# KiCad board Turbo_XT_Mainboard R3.kicad_pcb (continued)
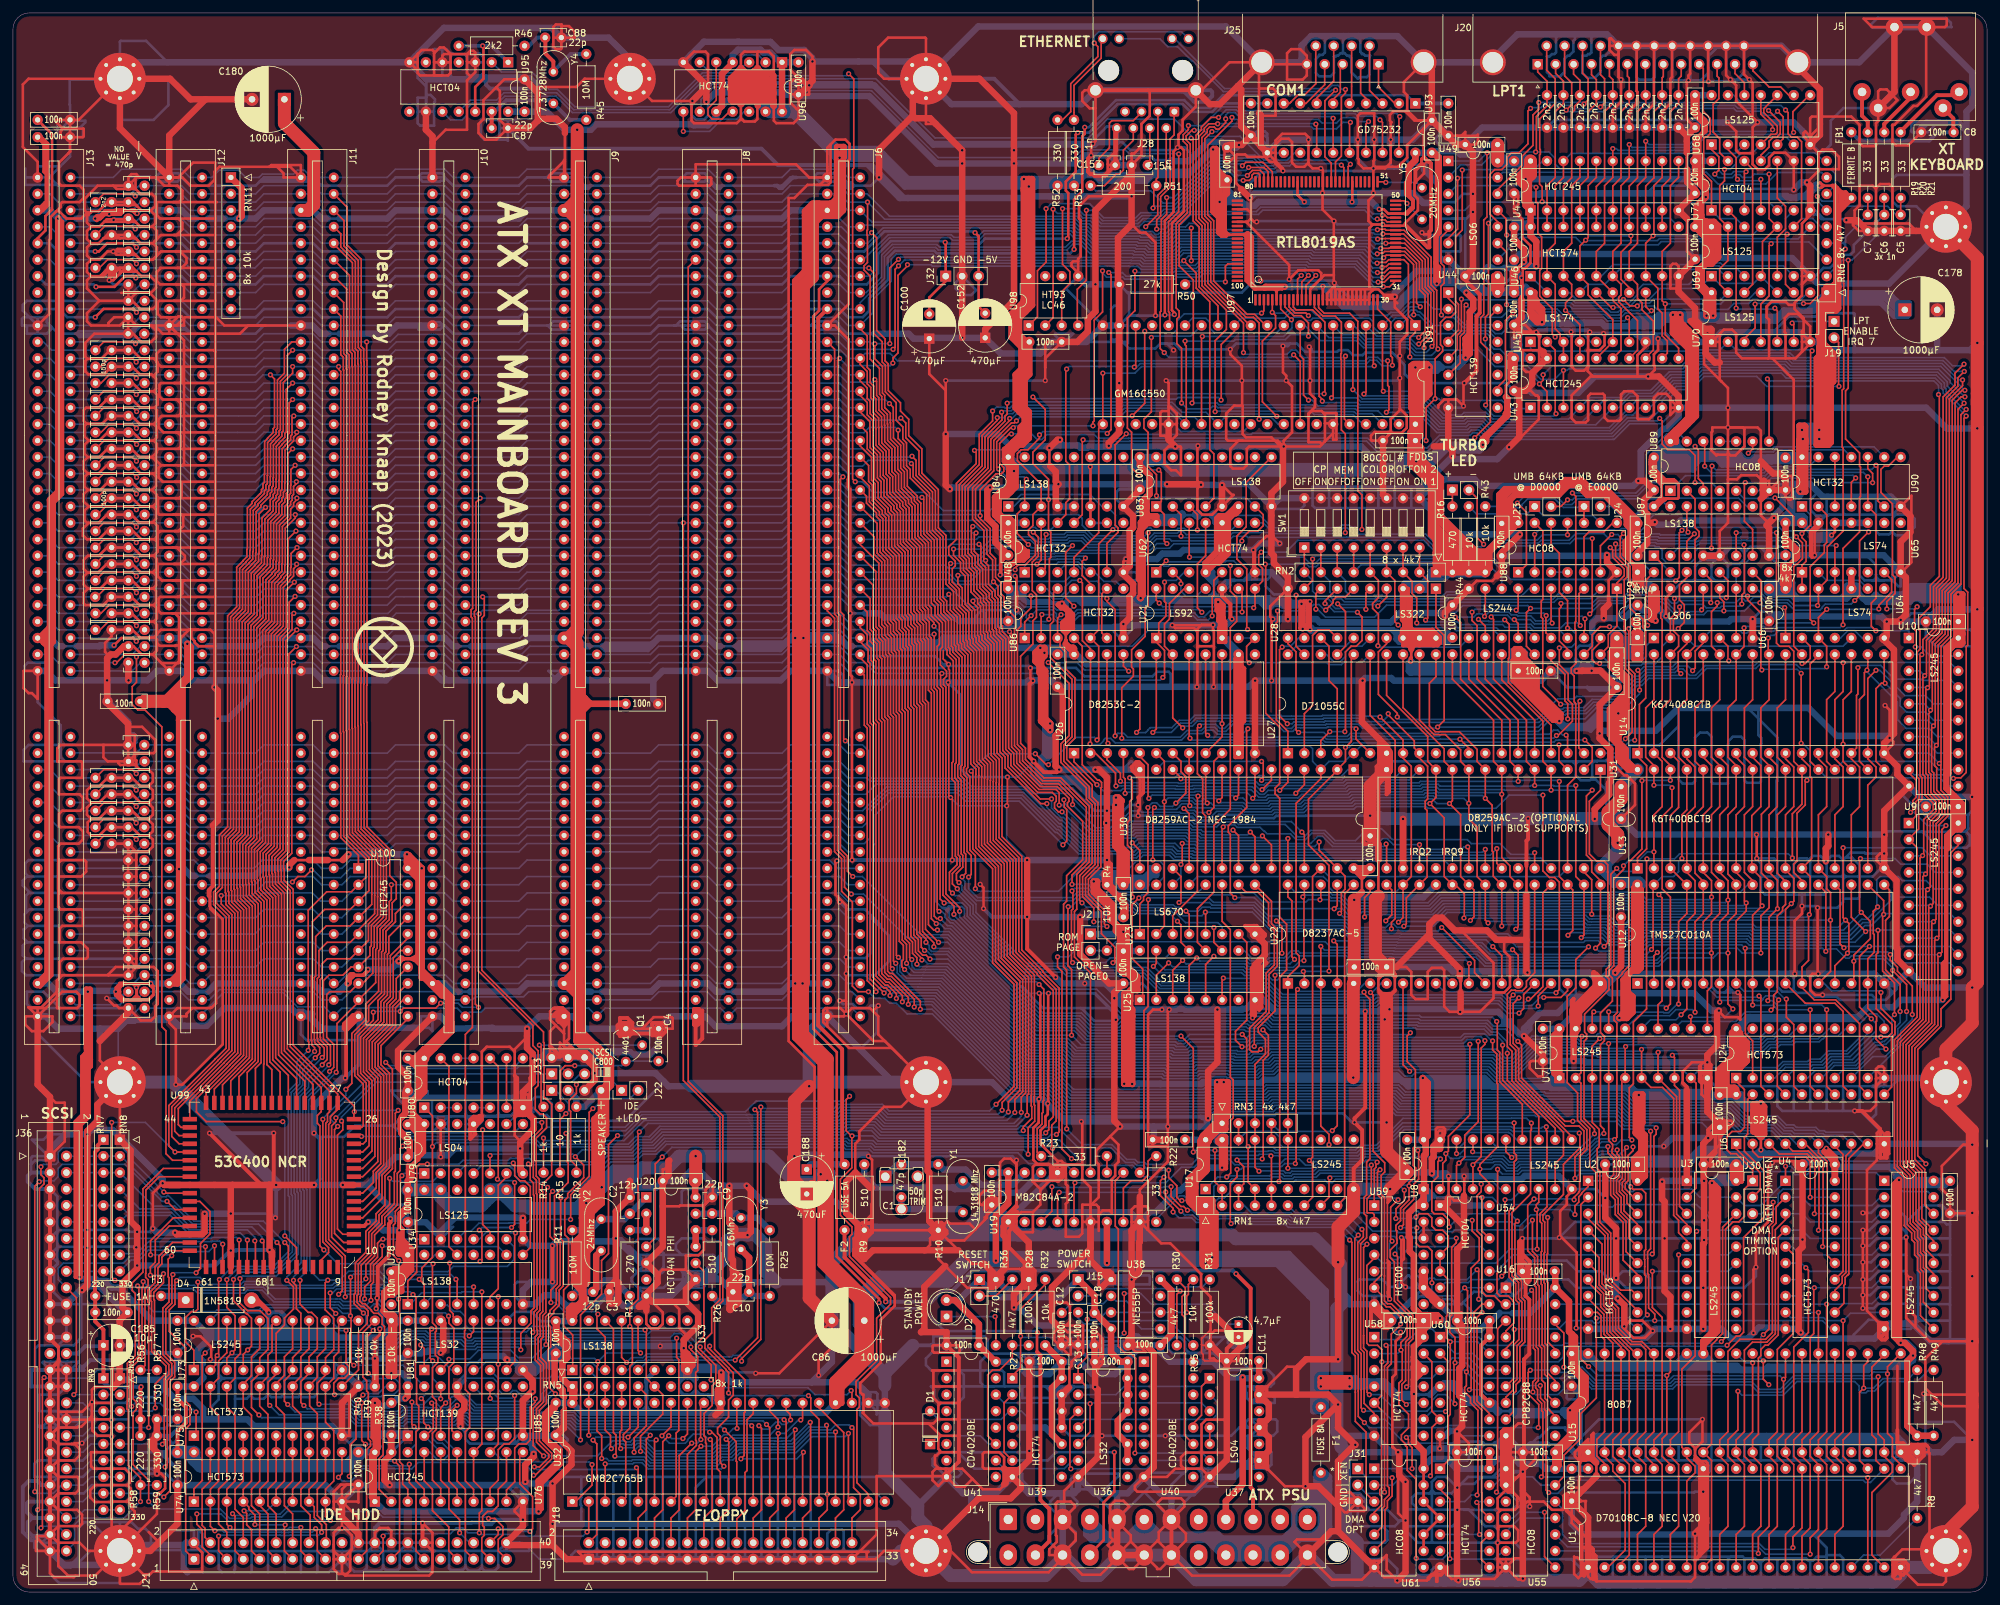
[diagram p0: board, top side]
## Routing (per net, layer and track width the routed paths; a pad name or vN(x,y) marks a point on that pad's centre or on a via; arc(x,y) is an arc through that point) (continued)
  Bottom w0.4: 66.75,233.6 66.29,234.06 U95.5 ; U95.3 71.37,233.68 71.45,233.6 ; U95.3 72.52,236.22 72.64,236.35 ; U95.3 71.37,237.62 72.01,237.62 72.64,236.98 72.64,236.35 ; U95.3 70.23,236.22 70.1,236.35 ; U95.9 63.83,228.68 63.83,230.81 ; U95.9 62.48,228.6 ; U95.9 65.02,228.6 ; U95.9 63.75,232.54 62.48,233.81 62.48,237.49 62.61,237.62 ; U95.5 67.31,236.22 67.56,235.97 ; U95.5 66.29,238.25 65.02,238.25 ; U95.5 65.15,236.22 65.02,236.35 ; 266.95,160.91 266.64,161.22 265.12,161.22 ; 266.95,160.91 267.27,160.6 267.27,160.46 ; 266.95,160.91 267.59,160.91 267.65,160.84 ; C63.2 231.77,203.45 230.19,201.87 228.15,201.87 226.82,203.2 C85.2 224.24,211.88 224.03,212.09 222.25,212.09 ; v1(260.86,26.67) 244.89,26.67 241.89,23.67 ; 123.7,195.58 J6.10 127.51,195.58 128.78,194.31 132.97,194.31 ; 123.7,195.58 124.33,194.94 127.13,194.94 127.38,195.2 127.51,195.2 127.51,195.83 127.13,196.22 123.82,196.22 123.19,195.58 ; 123.7,195.58 123.19,195.58 ; v1(291.47,150.11) 292.1,150.11 293.12,151.13 294.89,151.13 ; v1(258.7,233.43) 258.96,233.69 J20.22 ; v1(258.7,233.43) 256.23,233.43 256.19,233.39 256.19,238.76 ; v1(258.7,233.43) 260.6,233.43 260.73,233.55 ; SW1.9 217.3,168.78 218.95,168.78 218.95,167.39 216.03,167.39 ; 71.12,72.26 69.92,73.46 ; 71.12,72.26 69.98,72.26 69.92,72.21 ; 71.12,72.26 72.39,73.53 74.68,73.53 75,73.86 ; 71.12,72.26 70.1,71.25 ; 71.12,72.26 71.12,71.12 ; 71.12,72.26 71.12,73.28 70.94,73.46 ; 69.92,73.46 70.94,73.46 ; 69.92,73.46 69.92,73.73 ; 69.92,73.46 67.63,73.46 ; J36.49 6.9,6.35 7,6.24 ; J36.49 5.71,2.79 7.11,1.4 16.38,1.4 16.51,1.27 H6.1 ; J36.49 5.71,7.62 ; J36.49 3.81,6.35 3.3,6.86 3.3,8.38 3.56,8.64 ; v1(14.86,202.56) 15.49,201.93 C123.2 ; v1(292.31,54.77) 292.31,57.83 290.52,59.62 287.97,59.62 286.89,58.55 v1(285.62,58.55) ; v1(292.31,54.77) 292.15,54.61 287.78,54.61 286.64,53.47 v1(285.62,53.47) ; v1(292.31,54.77) 292.31,51.99 ; v1(292.31,54.77) 292.31,55.54 290.7,57.15 287.91,57.15 286.64,55.88 v1(285.62,55.88) ; v1(292.31,54.77) 292.31,57.11 294.13,58.93 ; 247.01,20.32 247.01,23.56 246.98,23.59 ; 247.01,20.32 249.68,20.32 ; 247.01,20.32 245.49,20.32 ; 183.7,36.9 181.67,36.9 180.97,37.59 180.97,38.61 180.21,39.37 179.07,39.37 ; 183.7,36.9 183.7,39.43 183.76,39.37 184.66,39.37 ; 183.7,36.9 184.73,36.9 ; 44.32,30.35 44.58,30.1 46.48,30.1 46.99,30.61 46.99,32.89 ; 44.32,30.35 44.45,30.48 44.45,32.89 44.58,33.02 ; 44.32,30.35 44.07,30.1 41.91,30.1 41.66,30.35 ; 191.26,21.59 191.26,21.46 U37.9 ; 191.26,21.59 190.63,22.23 190.63,24.13 191.26,24.13 ; 191.26,21.59 192.53,21.59 ; C40.2 240.66,15.37 259.59,15.37 259.71,15.49 v1(260.99,15.49) ; 267.33,20.32 267.33,22.73 268.19,23.59 ; 267.33,20.32 269.88,20.32 ; 267.33,20.32 264.79,20.32 ; 69.85,33.91 69.85,33.02 ; 69.85,33.91 69.85,33.66 68.58,32.38 U85.13 ; 69.85,33.91 69.85,34.8 70.54,35.49 71.81,35.49 72.77,36.45 ; 69.85,33.02 69.85,32.64 68.96,31.75 U85.13 ; 69.85,33.02 U85.13 ; U87.4 261.62,159.38 262.89,159.38 263.52,160.02 ; U87.4 260.99,159.64 259.71,158.37 259.71,156.46 ; U87.4 261.37,160.4 263.02,160.4 263.4,160.02 263.52,160.02 ; U87.4 263.52,160.02 ; U37.13 193.68,29.21 194.18,29.21 ; U37.13 193.68,31.75 193.8,31.75 ; U37.13 191.52,29.59 191.52,29.21 ; U37.13 191.52,31.37 191.52,31.75 ; U37.13 192.4,29.21 ; U37.13 192.4,31.62 192.53,31.75 ; U37.13 194.31,30.48 194.82,29.97 194.82,29.21 194.18,29.21 ; 277.56,92.51 277.5,92.58 277.5,95.38 277.39,95.48 ; 277.56,92.51 275.41,92.51 274.95,92.96 274.95,93.22 ; 277.56,92.51 278.13,91.95 281.56,91.95 282.07,91.44 287.78,91.44 ; 62.48,228.6 62.48,230.76 63.79,230.76 63.83,230.81 ; 62.48,228.6 62.48,226.82 62.86,226.44 65.02,226.44 65.02,228.6 ; 82.8,218.44 82.8,218.19 83.18,217.81 86.74,217.81 86.99,218.06 86.99,218.44 ; 82.8,218.44 82.04,218.44 ; 82.8,218.44 J9.1 86.99,218.44 ; 233.12,5.13 233.12,6.4 231.9,7.62 229.74,7.62 229.3,8.06 ; 233.12,5.13 v1(233.12,2.08) ; 233.12,5.13 233.17,5.08 233.43,5.08 ; 265.69,92.58 v1(266.32,92.58) ; 265.69,92.58 265.37,92.9 ; 265.69,92.58 264.92,92.58 ; v1(15.54,211.88) 15.75,212.09 C127.2 ; 275.29,160.1 275.29,160.32 274.19,161.42 273.94,161.42 ; 5.71,25.53 5.59,25.4 4.19,25.4 3.94,25.65 4.7,25.65 J36.33 6.98,25.4 ; 5.71,25.53 5.84,25.4 6.98,25.4 ; 5.71,25.53 J36.29 ; 5.71,25.53 J36.41 6.98,17.78 ; 243.08,20.32 245.49,20.32 ; 243.08,20.32 243.2,20.45 U15.1 ; 243.08,20.32 241.81,20.32 241.43,20.7 239.52,20.7 239.14,20.32 237.36,20.32 236.09,21.59 C64.2 ; 245.49,20.32 244.86,20.32 ; 49.53,33.02 46.99,33.02 ; 49.53,33.02 49.72,33.21 ; 49.53,33.02 50.93,33.02 ; 46.99,33.02 46.99,32.89 ; 46.99,33.02 44.58,33.02 ; 301.62,218.82 290.83,218.82 290.19,218.19 290.19,214.76 290.96,214 293.88,214 297.05,210.82 H7.1 ; 294.13,42.42 294.13,44.58 ; 294.13,42.42 294.13,42.04 294.26,41.91 292.99,40.64 U5.10 287.91,41.66 ; 294.13,42.42 294.64,41.91 299.08,41.91 ; 294.13,44.58 294.26,44.45 298.96,44.45 299.08,44.32 ; 294.13,44.58 294.13,47.12 ; 95.12,17.78 92.84,17.78 ; 95.12,17.78 95.27,17.63 95.27,5.44 95.63,5.08 ; 95.12,17.78 97.79,17.78 ; 92.84,17.78 92.69,17.63 92.69,5.31 92.46,5.08 ; 92.84,17.78 90.17,17.78 ; U37.9 191.13,19.05 190.63,19.05 ; U37.9 193.42,21.34 193.42,21.59 ; U37.9 193.55,19.18 193.8,19.18 ; U37.9 192.4,21.46 192.53,21.59 ; U37.9 192.28,20.19 187.2,20.19 186.18,19.18 ; U37.9 192.4,19.05 ; 282.96,110.49 280.16,110.49 ; 282.96,110.49 284.99,110.49 ; 282.96,110.49 282.57,110.87 ; 282.96,110.49 282.57,110.11 ; 280.16,110.49 279.97,110.29 ; 280.16,110.49 277.5,110.49 ; 3.94,90.17 5.46,90.17 ; 3.94,90.17 3.81,90.04 J13.80 ; 3.94,90.17 2.79,90.17 2.16,90.81 2.16,92.71 4.7,92.71 7.24,90.17 ; 5.46,90.17 5.08,90.17 J13.80 ; 5.46,90.17 7.24,90.17 ; 264.29,92.58 263.15,92.58 262.25,93.47 262.25,95.46 262.28,95.48 ; 264.29,92.58 264.82,93.11 ; 264.29,92.58 264.92,92.58 ; U1.1 244.35,3.81 244.47,3.68 ; U1.1 243.2,5.08 243.59,5.46 244.47,5.46 ; U1.1 243.2,3.94 ; U1.1 241.94,3.81 240.66,5.08 239.78,5.08 ; C91.2 82.55,36.83 81.15,35.43 ; 205.74,11.68 205.74,12.06 J31.3 ; 207.55,5.11 207.58,5.08 208.79,5.08 ; 190.12,19.3 190.37,19.3 190.63,19.05 ; 218.69,15.24 216.66,15.24 216.03,14.61 216.03,13.72 216.73,13.01 216.73,12.77 ; 218.69,15.24 219.07,15.24 ; 218.69,15.24 219.07,15.62 ; 289.81,92.07 289.81,93.09 U12.16 ; 289.81,92.07 290.13,92.39 ; 289.81,92.07 289.18,91.44 287.78,91.44 ; C105.1 18.36,194.89 18.74,194.89 19.43,195.58 19.81,195.58 ; C105.1 17.4,194.69 10.16,194.69 9.78,194.31 ; C105.1 17.4,194.31 17.14,194.06 10.29,194.06 10.03,194.31 ; C105.1 19.05,195.58 19.56,195.58 ; C105.1 18.29,194.31 19.56,195.58 ; C105.1 17.27,193.8 10.29,193.8 9.78,194.31 ; C105.1 18.67,194.31 18.67,194.44 19.81,195.58 ; C105.1 10.03,194.31 ; 48.15,6.33 49.55,6.33 J21.19 ; 48.15,6.33 49.51,6.33 ; 48.15,6.33 47.01,6.33 ; 67.12,56.71 67.44,56.39 67.94,56.39 U34.2 ; C166.1 C156.1 ; 229.3,8.06 229.3,9.58 ; 229.3,8.06 228.87,7.62 219.2,7.62 219.13,7.69 ; 264.82,93.45 265.37,92.9 ; 264.82,93.45 264.82,95.48 ; 264.82,93.45 264.82,93.11 ; 265.37,92.9 265.05,92.58 264.92,92.58 ; 246.51,238.76 246.51,237.74 246.38,237.74 245.87,237.24 245.49,237.24 245.11,236.86 245.11,234.7 244.22,233.81 243.08,233.81 242.32,234.57 242.32,237.24 242.95,237.24 243.2,237.49 243.46,237.49 243.71,237.74 243.71,240.41 243.84,240.54 ; 246.51,238.76 246.51,239.65 246.75,239.89 ; 246.51,238.76 J20.18 247.89,233.95 v1(248.28,233.55) ; 2.67,107.95 1.52,109.09 1.52,109.85 2.16,110.49 2.41,110.49 ; 2.67,107.95 2.41,107.95 2.03,107.57 2.03,104.9 ; 2.67,107.95 C169.2 ; U15.20 290.19,21.59 ; U15.20 291.46,20.45 291.59,20.32 ; U15.20 290.19,20.32 ; 290.19,21.59 290.19,22.35 290.56,22.72 294.25,22.72 ; 290.19,21.59 290.19,20.32 ; 186.55,223.96 186.62,224.03 188.72,224.03 v1(189.29,223.46) ; 82.04,218.44 82.42,218.44 83.06,219.07 86.36,219.07 86.99,218.44 ; 82.04,218.44 79.38,218.44 78.1,217.17 67.94,217.17 66.67,218.44 J10.1 62.99,218.44 ; 258.83,1.52 259.71,2.41 259.71,5.46 ; U36.7 163.7,17.78 163.32,17.4 163.32,16.51 162.05,15.24 160.78,15.24 ; U36.7 170.47,11.77 J14.5 170.47,11.21 174.69,15.43 ; U36.7 163.45,16.76 163.45,15.88 165.86,15.88 166.12,16.13 ; U36.7 164.46,17.91 164.85,18.29 170.69,18.29 170.69,17.91 168.02,15.24 ; 58.67,72.01 52.83,72.01 51.12,70.29 47.05,70.29 ; 58.67,72.01 60.96,74.3 60.96,75.56 ; 58.67,72.01 59.7,70.98 64.76,70.98 ; 83.18,83.82 J33.2 ; 83.18,83.82 85.72,83.82 ; 83.18,83.82 82.42,83.82 81,82.4 v1(80.24,82.4) ; 69.85,24.64 69.85,23.62 70.54,22.93 77.16,22.93 ; 229.24,3.81 229.24,4.32 229.49,4.57 ; 229.24,3.81 U55.7 ; 229.24,3.81 229.24,1.97 229.08,1.81 229.08,2.38 U55.7 ; 287.91,41.66 290.45,41.66 290.67,41.44 ; 287.91,41.66 287.53,42.04 286.51,42.04 284.2,39.73 284.2,39.14 ; 208.79,5.08 208.91,5.08 U61.7 ; 208.79,5.08 210.57,5.08 ; J6.1 125.73,218.57 ; J6.1 126.37,217.81 128.27,217.81 128.52,217.55 ; J6.1 127.38,218.44 ; J6.1 123.82,218.44 ; J6.1 125.73,218.31 125.22,217.81 124.46,217.81 123.82,218.44 ; 125.73,218.57 125.22,219.07 124.21,219.07 123.57,218.44 ; 125.73,218.57 126.24,219.07 126.75,219.07 127.38,218.44 ; 261.37,216.53 261.11,216.53 260.56,215.98 C75.2 259.71,217.04 259.84,217.17 ; 261.37,216.53 261.37,217.04 261.24,217.17 259.84,217.17 ; 261.37,216.53 261.5,216.67 274.82,216.67 v1(274.95,216.53) ; 215.9,170.69 218.31,170.69 218.63,170.37 ; 215.9,170.69 215.9,167.51 216.03,167.39 ; 215.9,170.69 213.36,170.69 ; v1(161.66,177.94) 162.6,177 165.74,177 165.74,177.01 v1(182.95,177.01) ; 89.03,6.35 86.87,6.35 86.23,5.71 86.23,5.08 ; 89.03,6.35 125.73,6.35 ; 89.03,6.35 88.9,6.22 J18.1 ; 39.39,6.33 41.93,6.33 ; 39.39,6.33 39.39,3.07 39.37,3.05 ; 39.39,6.33 36.85,6.33 ; 41.93,6.33 41.93,3.16 42.04,3.05 ; 41.93,6.33 44.47,6.33 ; 166.3,36.76 167,37.46 C18.2 ; 166.3,36.76 167.58,36.76 ; 166.3,36.76 165.3,36.76 ; C17.2 187.2,35.69 185.99,36.9 184.98,36.9 ; C17.2 187.4,37.67 187.83,38.1 189.23,38.1 ; C17.2 189.61,35.69 191.01,34.29 191.77,34.29 ; U61.7 210.19,4.7 210.57,5.08 ; U61.7 211.45,5.08 211.71,5.08 ; U61.7 211.1,2.89 211.1,1.81 ; U61.7 209.3,2.92 209.65,2.57 209.65,1.81 ; 26.8,194.82 26.67,194.94 21.84,194.94 21.59,195.2 ; 26.8,194.82 26.03,195.58 25.91,195.58 ; 26.8,194.82 27.3,194.31 37.46,194.31 38.73,195.58 42.93,195.58 ; 231.77,48.26 230.89,48.26 230.5,47.88 U16.1 ; v1(279.91,112.84) 279.08,113.66 277.88,113.66 277.5,113.28 277.5,112.78 ; v1(279.91,112.84) 280.03,112.71 280.03,110.36 279.97,110.29 ; v1(279.91,112.84) 280.74,113.66 281.94,113.66 282.45,113.16 282.57,113.16 282.57,112.78 ; 103.25,34.93 105.03,34.93 105.16,34.8 ; 103.25,34.93 103.25,34.42 103.12,34.29 ; 103.25,34.93 102.87,34.93 102.87,34.04 ; 219.58,15.24 222.12,15.24 v1(223.01,16.13) ; 219.58,15.24 219.2,15.62 219.07,15.62 ; 219.58,15.24 219.07,15.24 ; 3.81,196.85 1.65,196.85 1.4,196.6 1.4,195.58 1.9,195.58 ; 3.81,196.85 J13.10 ; 3.81,196.85 5.21,196.85 5.21,196.09 5.91,195.39 ; 32.64,33.02 31.88,33.02 31.75,33.15 ; 32.64,33.02 42.16,33.02 ; 32.64,33.02 32.38,33.02 ; 129.37,140.49 128.97,140.08 125.73,140.08 J6.31 127.51,142.24 128.17,141.58 128.17,140.49 ; 263.52,160.02 262.25,158.75 262.25,156.72 ; 263.52,160.02 264.73,161.22 ; 263.52,160.02 263.52,160.66 263.27,160.91 263.58,161.22 264.73,161.22 ; 263.52,160.02 264.03,160.02 265.12,161.11 265.12,161.22 ; 263.52,160.02 264.79,158.75 ; v1(156.93,21.8) 156.72,21.59 144.27,21.59 ; U37.11 190.75,25.4 190.37,25.78 190.37,26.29 190.75,26.67 191.01,26.67 ; U37.11 193.68,26.67 193.93,26.67 ; U37.11 193.68,24.13 193.93,24.13 ; U37.11 191.26,24.26 191.26,24.13 ; U37.11 191.13,26.67 191.01,26.67 ; U37.11 192.4,24.26 192.28,24.13 ; U37.11 189.36,25.4 188.09,24.13 v1(177.93,24.13) v1(168.15,24.13) 168.27,24.13 163.19,24.13 U39.11 ; U37.11 192.4,26.67 ; U37.11 191.26,25.4 ; 211.71,5.08 212.22,5.08 213.74,3.56 v1(213.74,1.78) ; 211.71,5.08 210.57,5.08 ; 165.3,36.76 167.13,34.93 168.4,34.93 ; 165.3,36.76 164.27,36.76 ; 294.13,49.66 294.13,51.94 ; 294.13,49.66 294.26,49.53 299.08,49.53 ; 294.13,49.66 294.13,47.12 ; 294.13,51.94 294.13,54.61 ; 294.13,51.94 294.26,52.07 299.08,52.07 ; 299.08,46.99 299.08,44.32 ; 299.08,46.99 299.08,49.53 ; 299.08,46.99 294.26,46.99 294.13,47.12 ; 299.08,44.32 299.08,41.91 ; U37.7 185.93,16.64 185.93,16.26 185.86,16.32 183.32,16.32 ; U37.7 184.53,18.03 184.53,19.05 ; U37.7 185.93,18.92 ; U37.7 183.51,19.05 ; U37.7 184.78,18.29 185.67,19.18 ; U37.7 183.64,17.78 183.51,17.91 ; 39.37,3.05 42.04,3.05 ; 39.37,3.05 36.7,3.05 ; 42.04,3.05 44.45,3.05 ; 249.68,20.32 249.56,20.45 249.56,22.86 248.82,23.59 ; 249.68,20.32 252.09,20.32 ; 278.38,166.24 280.29,166.24 280.42,166.37 ; 278.38,166.24 277.5,167.13 277.5,168.66 278.7,169.86 ; 278.38,166.24 278.76,165.86 U65.13 280.03,166.37 ; 26.48,87.44 26.03,87.88 26.03,88.9 J12.80 22.48,88.9 22.48,88.43 22.56,88.35 ; 249.62,130.66 249.62,128.42 248.05,126.85 ; 249.62,130.66 249.62,130.63 247.9,128.91 246.51,128.91 245.94,128.34 ; 249.62,130.66 249.7,130.74 254.18,130.74 257.18,133.73 ; 193.8,31.75 192.53,31.75 ; 193.8,31.75 194.18,31.75 194.69,32.26 194.69,33.4 193.8,34.29 191.77,34.29 ; 192.53,31.75 191.52,31.75 ; 246.19,141.16 247.59,141.16 247.65,141.22 C50.2 239.95,139.7 C65.2 ; U28.10 195.96,154.05 194.69,154.05 193.42,155.32 193.42,156.34 ; 288.8,78.1 287.65,78.1 287.65,73.79 286.7,72.83 ; 288.8,78.1 288.93,78.23 U24.10 ; 288.8,78.1 290.07,78.1 291.34,79.38 ; U13.16 288.42,111.76 287.15,110.49 284.99,110.49 ; 274.95,20.32 274.95,23.24 275.3,23.59 ; 274.95,20.32 272.41,20.32 ; 274.95,20.32 277.5,20.32 ; v1(128.65,95.5) 128.9,95.25 133.1,95.25 135.25,97.41 135.25,101.35 133.86,102.74 ; 272.29,125.09 272.41,125.22 272.41,131.95 267.84,136.53 264.29,136.53 ; 272.29,125.09 272.29,125.48 ; 272.29,125.09 272.29,116.97 ; J36.11 7,55.9 11.45,55.9 v1(11.49,55.94) 17.72,55.94 18.03,55.63 v1(19.18,55.63) 21.08,55.63 v1(21.59,56.13) ; 238.73,95.66 238.76,95.63 238.76,93.22 239.78,92.2 241.81,92.2 ; 6.86,50.93 J36.13 6.97,53.32 11.32,53.32 v1(11.49,53.16) 11.67,53.34 18.92,53.34 v1(19.04,53.22) ; 6.86,50.93 6.86,50.61 6.35,50.11 6.35,46.23 8.13,44.45 8.25,44.45 ; 6.86,50.93 6.86,50.67 J36.15 ; 6.86,50.93 6.86,61.09 J36.5 J36.23 ; 243.84,145.67 243.4,146.11 243.4,146.12 ; 243.84,145.67 243.84,142.93 243.75,142.84 v1(243.75,142.28) ; 243.84,145.67 243.84,147.7 ; 104.77,30.48 104.77,30.61 105.41,31.24 ; 104.77,30.48 104.14,30.48 ; 104.77,30.48 106.55,30.48 ; 29.46,6.48 29.23,6.24 ; 29.46,6.48 21.59,6.48 ; 29.46,6.48 28.89,7.05 ; 29.23,6.24 29.23,5.61 ; 29.23,6.24 29.32,6.33 31.64,6.33 ; 277.89,196.97 278.38,196.97 278.89,197.49 ; 277.89,196.97 274.18,196.97 271.76,194.54 269.72,194.54 ; 277.89,196.97 279.52,196.97 279.91,197.36 279.91,197.49 ; U59.9 217.81,45.72 217.87,45.65 ; U59.9 218.83,45.97 218.83,45.65 ; U59.9 216.49,45.67 216.49,45.59 ; U59.9 215.14,46.99 v1(215.01,47.12) 213.61,47.12 ; U59.9 217.42,46.99 215.52,48.89 215.39,48.89 213.61,47.12 ; 253.63,152.27 252.35,152.27 252.22,152.4 C61.2 249.56,152.4 247.52,150.37 247.4,150.37 ; 253.63,152.27 254.31,151.6 ; 253.63,152.27 254.13,152.27 254.25,152.15 254.25,151.65 254.71,151.2 ; C153.1 171.32,221.49 172.72,221.49 ; 239.78,5.08 242.06,5.08 243.2,3.94 ; 239.78,5.08 233.43,5.08 ; 20.83,195.58 21.08,195.58 ; 20.83,195.58 19.81,195.58 ; 20.83,195.58 J12.10 ; 21.08,195.58 21.21,195.58 21.59,195.2 ; 21.08,195.58 21.4,195.9 ; 31.75,34.93 32.51,35.69 34.29,35.69 ; 31.75,34.93 31.75,33.66 ; 31.75,34.93 30.73,35.94 v1(30.48,35.94) ; 219.07,15.24 219.07,15.62 ; 70.94,73.46 72.71,73.46 ; 168.95,37.3 168.95,37.24 168.47,36.76 167.58,36.76 ; 63.83,231.19 64.47,231.19 65.15,230.5 65.15,230.12 65.02,230 65.02,228.6 ; 63.83,231.19 63.83,230.81 ; 63.83,231.19 63.83,233.6 ; 5.91,195.39 5.71,195.58 J13.10 ; 5.91,195.39 5.91,195.01 5.21,194.31 3.81,194.31 ; 5.91,195.39 6.98,194.31 9.65,194.31 ; v1(154.94,151.64) 155.7,150.88 155.7,150.36 155.04,149.7 ; v1(154.94,151.64) 149.6,151.64 ; v1(154.94,151.64) 154.69,151.38 153.8,151.38 153.67,151.26 C36.2 ; C134.2 C119.1 ; C83.2 234.7,49.53 235.97,48.26 240.16,48.26 241.43,46.99 247.14,46.99 247.52,47.37 ; C83.2 234.7,51.18 ; C83.2 233.04,51.05 234.57,51.05 234.7,51.18 ; C83.2 233.04,46.99 231.77,45.72 ; 301.43,117.41 301.57,117.41 302.13,116.84 302.13,115.32 302.01,115.32 301.62,114.94 297.31,114.94 294.84,117.41 293.82,117.41 ; 301.43,117.41 301.88,117.86 301.88,120.02 ; 301.43,117.41 293.82,117.41 ; 272.41,20.32 269.88,20.32 ; 272.41,20.32 272.41,23.37 272.64,23.59 ; 269.88,20.32 269.88,22.73 270.73,23.59 ; 26.92,3.05 29.34,3.05 ; 29.34,3.05 32.26,3.05 ; 29.34,3.05 29.23,3.16 29.23,5.61 ; 156.84,36.83 157.99,36.83 158.62,36.19 158.62,35.56 ; 156.84,36.83 156.84,35.64 C14.2 ; 156.84,36.83 154.81,36.83 ; U55.7 231.77,5.08 232.41,5.08 ; U55.7 229.74,4.57 229.49,4.57 ; U55.7 232.25,2.06 232.25,1.81 ; v1(214.25,40.13) 213.61,40.13 212.81,40.94 C68.2 ; 9.27,130.81 C161.1 ; 9.27,130.81 7.37,130.81 ; 9.27,130.81 2.41,130.81 1.65,130.05 1.65,128.27 8.38,128.27 ; 16.51,10.8 11.05,10.8 10.16,9.91 10.16,7.75 ; 16.51,10.8 H6.1 ; 16.51,10.8 18.29,10.8 19.3,9.78 20.45,9.78 21.3,8.92 21.3,7.27 ; 273.94,161.42 272.41,161.42 ; 273.94,161.42 273.69,161.16 C55.2 273.69,158.5 ; 233.43,5.08 232.41,5.08 ; 144.96,34.22 146.12,34.22 146.81,33.53 146.81,30.1 145.85,29.14 143.07,29.14 142.24,29.97 142.24,31.24 141.73,31.75 151.38,31.75 ; 144.96,34.22 152.72,34.22 153.03,33.91 153.03,31.88 153.16,31.75 ; 144.96,34.22 141.79,34.22 140.97,35.04 140.97,36.07 141.86,36.96 143.89,36.96 ; 277.5,4.83 277.24,4.83 276.86,5.21 274.95,5.21 ; 277.5,4.83 277.88,4.83 278.51,5.46 279.91,5.46 280.03,5.33 ; 277.5,4.83 277.5,2.16 276.86,1.52 ; 64.77,6.35 J21.30 J21.28 ; 64.77,6.35 65.15,6.35 ; 64.77,6.35 64.77,3.81 64.26,3.3 62.74,3.3 62.23,3.81 62.23,6.35 J21.28 ; 208.91,13.84 208.91,14.22 207.9,15.24 207.64,15.24 ; 208.91,13.84 208.91,13.33 209.3,12.95 209.3,12.7 ; 208.91,13.84 208.79,13.97 J31.3 ; U80.7 78.1,74.8 77.41,74.1 ; U80.7 78.99,74.8 79.69,75.5 ; U80.7 80.27,74.8 81.41,73.66 82.42,73.66 83.18,72.9 ; 276.22,107.7 v1(276.22,105.92) 278.38,105.92 v1(278.64,105.66) 281.69,105.66 282.57,106.55 282.57,107.06 ; 276.22,107.7 275.08,107.7 ; 276.22,107.7 277.5,107.7 ; 241.81,92.2 241.3,92.2 ; 241.81,92.2 243.33,92.2 U22.20 ; 241.3,92.2 241.55,91.95 243.08,91.95 ; 241.3,92.2 241.3,95.63 241.27,95.66 ; 22.61,196.22 23.49,196.22 J12.10 ; 22.61,196.22 21.72,196.22 21.4,195.9 ; 22.61,196.22 25.65,196.22 25.91,195.96 ; 290.13,163.77 290.19,163.84 290.19,165.86 290.7,166.37 ; 290.13,163.77 289.67,163.32 288.16,163.32 287.65,163.83 287.65,166.37 ; 290.13,163.77 290.7,163.19 292.35,163.19 293.62,164.47 293.62,165.74 292.99,166.37 290.7,166.37 ; 51.56,34.42 51.56,35.81 ; 51.56,34.42 51.56,33.53 51.69,33.4 ; 51.56,34.42 52.32,33.66 52.83,33.66 53.34,33.15 R40.2 54.23,32.64 54.99,32.64 R39.2 ; 51.56,35.81 50.8,35.05 U73.10 ; 51.56,35.81 51.82,36.07 v1(55.88,36.07) ; C15.2 167.58,36.06 167.58,36.76 ; C15.2 167.08,38.02 C18.2 ; C15.2 166.75,35.89 166.75,37.08 167,37.34 C18.2 ; C15.2 169.62,35.56 169.84,35.77 ; v1(234.19,13.21) 232.03,13.21 231.52,12.7 228.85,12.7 ; v1(14.48,91.69) 16.51,91.69 17.53,92.71 C175.2 ; 193.68,223.77 193.68,224.54 193.34,224.87 C99.2 ; 193.68,223.77 193.68,223.39 ; 193.68,223.77 193.68,225.17 193.29,225.55 192.15,225.55 191.47,224.87 C99.2 ; v1(241.35,40.77) 243.08,40.77 U2.10 ; 115.44,5.08 115.57,5.21 115.57,17.78 ; 13.21,6.35 H6.1 ; H6.1 16.64,6.48 21.59,6.48 ; H6.1 12.45,10.41 11.56,10.41 ; H6.1 11.94,6.35 9.78,4.19 8.89,4.19 10.16,5.46 10.16,7.75 ; 6.98,20.45 6.98,31.75 ; 6.98,20.45 6.98,17.78 ; 6.98,20.45 6.86,20.32 ; 294.25,22.72 295.41,22.72 296.54,21.59 ; 294.25,22.72 294,22.48 R8.1 ; 8.25,44.45 8.25,39.37 6.98,38.1 6.98,35.56 8.25,34.29 ; 8.25,44.45 14.48,44.45 15.75,43.18 C186.2 16.47,41.95 C185.2 ; v1(22.22,18.29) 21.46,19.05 12.06,19.05 10.79,17.78 6.98,17.78 ; v1(22.22,18.29) 23.62,18.29 C80.2 ; v1(22.22,18.29) 19.3,18.29 17.53,16.51 12.19,16.51 10.92,15.24 6.98,15.24 J36.43 ; J21.22 53.34,9.78 53.21,9.91 v1(50.8,9.91) ; J21.22 52.36,7.62 52.22,7.47 ; J21.22 J21.24 ; J21.22 51.94,6.22 ; J21.22 52.07,8.89 ; v1(196.09,192.41) 196.85,192.41 197.23,192.79 ; C87.1 78.23,226.06 78.23,226.69 77.6,227.33 76.58,227.33 ; C87.1 75.18,226.06 75.11,225.99 ; C87.1 75.29,227.18 ; C87.1 76.41,224.12 76.25,224.28 74.8,224.28 ; C87.1 76.41,227.16 76.58,227.33 ; 172.15,195.52 172.15,197.05 172.21,197.1 